# Altium PCB PCB2.PcbDoc (part 1 of 3) (continued)
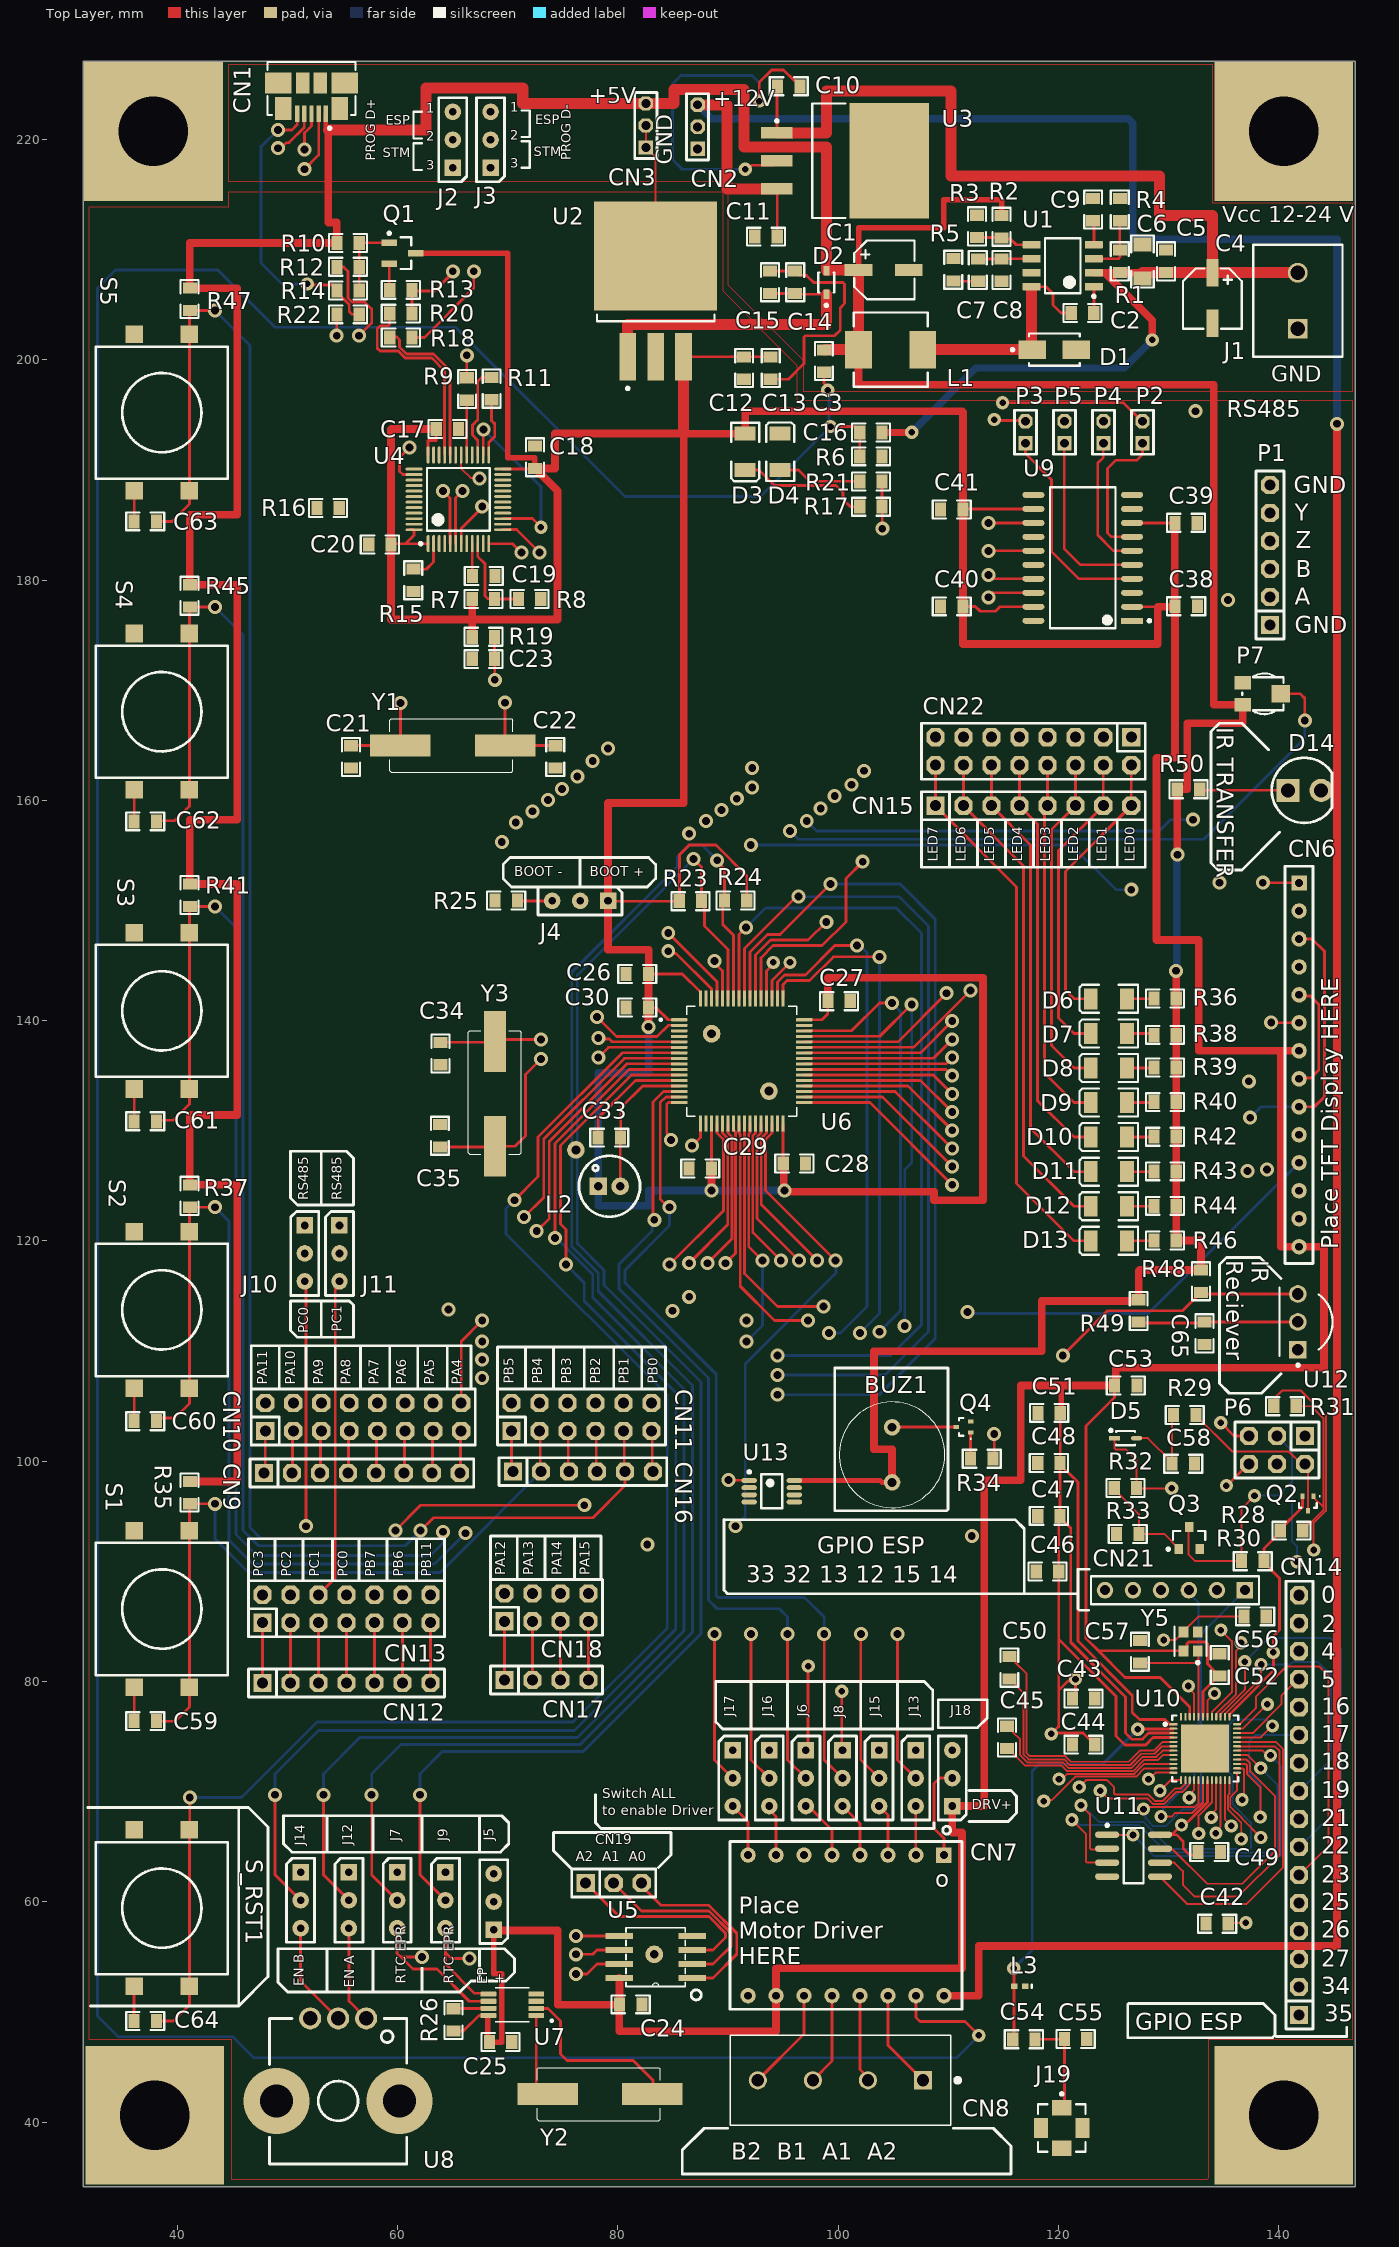
[diagram p0: Top Layer view]
## Footprints (in the part's own frame and the unit in brackets; to place one, negate y for a bottom-side part, rotate by r counter-clockwise, add the part's x,y. Pads: shape width x height; smd on the part's side, far side on the other; paste and mask are expansions set on the pad) (continued)
MICT-MN-8_N [mm] "SOIC, 8-Leads, Body 5x4mm, Pitch 1.27mm, IPC Medium Density"
  oval 2.2x0.6 smd: 1(-2.4,1.905) 2(-2.4,0.635) 3(-2.4,-0.635) 4(-2.4,-1.905) 5(2.4,-1.905) 6(2.4,-0.635) 7(2.4,0.635) 8(2.4,1.905)
  silkscreen extent -2.52,-2.5 0.9,2.88, body extent -2,-2.5 2,2.5, height 0.1
ONSC-CPH-3_V [mm] "SOT23, 3-Leads, Body 2.9x1.6mm, Pitch 0.95mm"
  rect 1.4x0.6 smd: 1(-1.2,0.95) 2(-1.2,-0.95) 3(1.2,0)
  silkscreen extent -1.32,-1.45 0.8,1.92, body extent -0.8,-1.45 0.8,1.45, height 1.05
ONSC-SC-75-3-463-01_V [mil] "SOT23, 3-Leads, Body 1.6x0.8mm, Pitch 0.5mm"
  rect 20x14.02 smd: 1(-25.49,19.68) 2(-25.49,-19.69) 3(25.49,0)
  silkscreen extent -27,-31 16,44, body extent -16,-31 16,31, height 35
ONSC-SOT-23-3-318-08_V [mm] "SOT23, 3-Leads, Body 2.92x1.3mm, Pitch 0.95mm"
  rect 0.9x0.8 smd: 1(-1,0.95) 2(-1,-0.95) 3(1,0)
  silkscreen extent -1.12,-1.46 0.65,2.02, body extent -0.65,-1.46 0.65,1.46, height 1.11
PHOE-1729128-2_V [mm] "Receptacle, 2-Leads, Body 8.1x10.16mm, Pitch 5.08mm"
  rect 1.8x1.8 hole 1.3: 1(-2.54,0)
  round 1.8 hole 1.3: 2(2.54,0)
  silkscreen extent -5.08,-4.05 5.08,4.05, body extent -5.65,-4.05 5.08,4.05, height 10.01
QFP50P1200X1200X160-64N [mm]
  rrect25% 1.47x0.28 smd: 1(-5.67,3.75) 2(-5.67,3.25) 3(-5.67,2.75) 4(-5.67,2.25) 5(-5.67,1.75) 6(-5.67,1.25) 7(-5.67,0.75) 8(-5.67,0.25) 9(-5.67,-0.25) 10(-5.67,-0.75) 11(-5.67,-1.25) 12(-5.67,-1.75) 13(-5.67,-2.25) 14(-5.67,-2.75) 15(-5.67,-3.25) 16(-5.67,-3.75) 33(5.67,-3.75) 34(5.67,-3.25) 35(5.67,-2.75) 36(5.67,-2.25) 37(5.67,-1.75) 38(5.67,-1.25) 39(5.67,-0.75) 40(5.67,-0.25) 41(5.67,0.25) 42(5.67,0.75) 43(5.67,1.25) 44(5.67,1.75) 45(5.67,2.25) 46(5.67,2.75) 47(5.67,3.25) 48(5.67,3.75)
  rrect25% 0.28x1.47 smd: 17(-3.75,-5.67) 18(-3.25,-5.67) 19(-2.75,-5.67) 20(-2.25,-5.67) 21(-1.75,-5.67) 22(-1.25,-5.67) 23(-0.75,-5.67) 24(-0.25,-5.67) 25(0.25,-5.67) 26(0.75,-5.67) 27(1.25,-5.67) 28(1.75,-5.67) 29(2.25,-5.67) 30(2.75,-5.67) 31(3.25,-5.67) 32(3.75,-5.67) 49(3.75,5.67) 50(3.25,5.67) 51(2.75,5.67) 52(2.25,5.67) 53(1.75,5.67) 54(1.25,5.67) 55(0.75,5.67) 56(0.25,5.67) 57(-0.25,5.67) 58(-0.75,5.67) 59(-1.25,5.67) 60(-1.75,5.67) 61(-2.25,5.67) 62(-2.75,5.67) 63(-3.25,5.67) 64(-3.75,5.67)
  silkscreen extent -7.44,-5 5,5, body extent -6,-6 6,6, height 1.6
SOIC127P794X203-8N [mil]
  rect 98.43x22 smd: 1(-130,75) 2(-130,25) 3(-130,-25) 4(-130,-75) 5(130,-75) 6(130,-25) 7(130,25) 8(130,75)
  silkscreen extent -163,-105 106,153, body extent -118,-96 118,96, height 69
SOP65P490X110-8N [mm]
  rrect25% 1.42x0.47 smd: 1(-2.165,0.975) 2(-2.165,0.325) 3(-2.165,-0.325) 4(-2.165,-0.975) 5(2.165,-0.975) 6(2.165,-0.325) 7(2.165,0.325) 8(2.165,0.975)
  silkscreen extent -3.68,-1.55 1.55,1.55, body extent -2.45,-1.5 2.45,1.5, height 1.1
Step_motor_Socket_TMC2209 [mm]
  rect 1.4x1.4 hole 0.7: 1(-6.38,17.78)
  round 1.4 hole 0.7: 2(-6.38,15.24) 3(-6.38,12.7) 4(-6.38,10.16) 5(-6.38,7.62) 6(-6.38,5.08) 7(-6.38,2.54) 8(-6.38,0) 9(6.38,17.78) 10(6.38,15.24) 11(6.38,12.7) 12(6.38,10.16) 13(6.38,7.62) 14(6.38,5.08) 15(6.38,2.54) 16(6.38,0)
  silkscreen extent -8.99,-1.65 7.62,19.43, body extent -7.65,-1.65 7.65,19.3, height 8.5
STM-LQFP48_L [mm] "QFP, 48-Leads, Body 7x7mm, Pitch 0.5mm, IPC High Density"
  oval 1.55x0.25 smd: 1(-4.025,2.75) 2(-4.025,2.25) 3(-4.025,1.75) 4(-4.025,1.25) 5(-4.025,0.75) 6(-4.025,0.25) 7(-4.025,-0.25) 8(-4.025,-0.75) 9(-4.025,-1.25) 10(-4.025,-1.75) 11(-4.025,-2.25) 12(-4.025,-2.75) 25(4.025,-2.75) 26(4.025,-2.25) 27(4.025,-1.75) 28(4.025,-1.25) 29(4.025,-0.75) 30(4.025,-0.25) 31(4.025,0.25) 32(4.025,0.75) 33(4.025,1.25) 34(4.025,1.75) 35(4.025,2.25) 36(4.025,2.75)
  oval 0.25x1.55 smd: 13(-2.75,-4.025) 14(-2.25,-4.025) 15(-1.75,-4.025) 16(-1.25,-4.025) 17(-0.75,-4.025) 18(-0.25,-4.025) 19(0.25,-4.025) 20(0.75,-4.025) 21(1.25,-4.025) 22(1.75,-4.025) 23(2.25,-4.025) 24(2.75,-4.025) 37(2.75,4.025) 38(2.25,4.025) 39(1.75,4.025) 40(1.25,4.025) 41(0.75,4.025) 42(0.25,4.025) 43(-0.25,4.025) 44(-0.75,4.025) 45(-1.25,4.025) 46(-1.75,4.025) 47(-2.25,4.025) 48(-2.75,4.025)
  silkscreen extent -4.15,-2.85 2.85,3.55, body extent -3.5,-3.5 3.5,3.5, height 1.6
TE_282836-4 [mm]
  rect 1.65x1.65 hole 1.1: 1(-7.5,0)
  round 1.65 hole 1.1: 2(-2.5,0) 3(2.5,0) 4(7.5,0)
  silkscreen extent -10.84,-4.1 10,4.1, body extent -10.43,-4.01 10.17,4.19, height 10
Vishay_TSOP34838_0 [mm]
  rect 1.6x1.6 hole 1.05 paste-1000 mask+0: 1(0,2.54)
  round 1.6 hole 1.05 paste-1000 mask+0: 2(0,0) 3(0,-2.54)
  silkscreen extent -3.16,-3.1 1.65,4.05, body extent -4.25,-3.44 1.75,3.44, height 0.25

## Part data
BUZ1: "Buzzer"
C1 C4: library part "Cap Pol", "Polarized Capacitor SMD low ESR ±1%", ComponentLink1Description=datasheet, ComponentLink2Description=supplier
C2 C3 C5 C7 C8 C9 C10 C12 C13 C14 C15 C23: library part Cap, "Ceramic capacitor MLCC SMD ±5%", ComponentLink1Description=datasheet, ComponentLink2Description=supplier
C6: "Ceramic capacitor MLCC SMD ±5%", ComponentLink1Description=datasheet, ComponentLink2Description=supplier
C11: library part Cap, "Ceramic capacitor MLCC SMD ±5%", Voltage=100VDC, ComponentLink1Description=datasheet, ComponentLink2Description=supplier
C16: library part Cap, "Ceramic capacitor MLCC SMD ±1%", Voltage=100VDC, ComponentLink1Description=datasheet, ComponentLink2Description=supplier
C17 C18 C19 C20 C21 C22 C24 C25 C26 C27 C28 C29 C30 C33 C34 C35 C38 C39 C40 C41 C42 C43 C44 C45 C46 C47 C48 C49 C50 C51 C52 C53 C54 C55 C56 C57 C58: library part Cap, "Ceramic capacitor MLCC SMD ±1%", ComponentLink1Description=datasheet, ComponentLink2Description=supplier
C59 C60 C61 C62 C63 C64 C65: library part Cap, "Capacitor", ComponentLink1Description=datasheet, ComponentLink2Description=supplier
CN1: "Molex 473460001 microUSB Connector", Supplier Part Number 1=2426321, Published=20-Mar-2006, Shop link="TME: @MX-105017-0001", Supplier 1=Farnell, Supplier 2=TME, Supplier Part Number 2=MX-47346-0001
CN2 CN3: "Goldpin type: male 2.54mm"
CN6: library part DISPLAY_TFT_Socket_1x14
CN7: library part Step_motor_Socket_TMC2209
CN8: library part Terminal_block_1x4, 3D model link=https://www.snapeda.com/parts/282836-4/TE%20Connectivity/view-part/?ref=search&t=282836-4, Model=282836-4, Shop link=https://www.tme.eu/pl/details/282836-4/listwy-zaciskowe-do-druku/te-connectivity/
CN21: library part "Header 6", "Header, 6-Pin", LatestRevisionDate=17-Jul-2002, LatestRevisionNote="Re-released for DXP Platform.", Publisher="Altium Limited"
D1: library part CMP-1667-00003-3, "DIODE SCHOTTKY 40V 3A SMA", Average Rectified Current=3A, Capacitance=250pF, Case/Package=SMA, Forward Voltage=500mV, Max Forward Surge Current (Ifsm)=80A, Max Operating Temperature=125°C, Max Repetitive Reverse Voltage (Vrrm)=40V, Max Reverse Current=500uA, Min Operating Temperature=-55°C, Package Quantity=5000, Contact Plating=Tin, Current=3A, Current Rating=3A, Element Configuration=Single, Forward Current=3A, Height=2.3mm, Lead Free="Lead Free", Length=4.6mm, Max Reverse Voltage (DC)=40V, Mount="Surface Mount", Number of Pins=2, Output Current=3A, Packaging="Tape and Reel", Peak Non-Repetitive Surge Current=80A, Polarity=Standard, Radiation Hardening=No, REACH SVHC="No SVHC", RoHS Compliant=Yes, Series=-, Termination=SMD/SMT, Voltage=40V, Voltage Rating (DC)=40V, Weight=0.002258oz, Width=2.92mm
D2: library part CMP-12187-000028-1, "DIODE SCHOTTKY 10V 3A SOD323", Average Rectified Current=3A, Forward Voltage=580mV, Max Forward Surge Current (Ifsm)=5A, Max Operating Temperature=150°C, Max Repetitive Reverse Voltage (Vrrm)=10V, Max Reverse Leakage Current=7.5uA, Min Operating Temperature=-65°C, Package Quantity=1, Contact Plating=Tin, Current Rating=3A, Element Configuration=Single, Forward Current=3A, Height=1.07mm, Lead Free="Lead Free", Length=1.8mm, Max Reverse Voltage (DC)=10V, Max Surge Current=5A, Mount="Surface Mount", Number of Pins=2, Output Current=3A, Packaging="Tape and Reel", Peak Non-Repetitive Surge Current=5A, Peak Reverse Current=7.5uA, Polarity=Standard, Radiation Hardening=No, REACH SVHC="No SVHC", Voltage Rating (DC)=10V, Weight=0.01lb, Width=1.45mm
D3: library part LED_GREEN, "GREEN LED", Published=04-Apr-2006
D4: library part LED_RED, "RED LED", Published=04-Apr-2006
D5: library part CMP-07163-000040-1, "DIODE GEN PURP 75V 150MA SOD323F", Average Rectified Current=150mA, Forward Voltage=1V, Max Forward Surge Current (Ifsm)=2A, Max Operating Temperature=150°C, Max Repetitive Reverse Voltage (Vrrm)=75V, Min Operating Temperature=-55°C, Package Quantity=1, Peak Reverse Current=5uA, Power Dissipation=200mW, ComponentLink1Description=TME, ComponentLink1URL=https://www.tme.eu/en/details/1n4148ws/smd-universal-diodes/onsemi/, Contact Plating=Tin, Element Configuration=Single, Forward Current=150mA, Height=1mm, Lead Free="Lead Free", Length=1.8mm, Max Reverse Voltage (DC)=75V, Mount="Surface Mount", Number of Pins=2, Packaging="Tape and Reel", Radiation Hardening=No, REACH SVHC="No SVHC", Recovery Time=4ns, Reverse Recovery Time=4ns, Reverse Voltage=75V, Weight=0.0276g, Width=1.35mm
D6 D7 D8 D9 D10 D11 D12 D13: library part LED_GREEN, "GREEN LED", Current=20mA, Voltage=2,2-2,5V, Brightness=3,2÷12,5mcd, Light Angle=120, Product Nr=KP-3216SGD, Published=04-Apr-2006, Supplier="KINGBRIGHT ELECTRONIC"
D14: library part LED, "Typical RED, GREEN, YELLOW, AMBER GaAs LED", Published=04-Apr-2006
J1: library part CMP-2000-05815-1, "PCB Terminal Block, 13.5 A, 400 V, 2-Pin THD, RoHS, Bulk", Current Rating=13500mA, Manufacturer="Phoenix Contact", Package Description="2-Pin Through Hole Device, Body 8.1 x 10.16 mm, Pitch 5.08 mm", Package Reference=1729128-2, Package Version=03/2015, Voltage Rating=400V, Datasheet URL=https://datasheet.ciiva.com/16046/1729128-16046181.pdf, Datasheet Version=12/2013, Manufacturer URL=http://www.phoenixcontact.com/, Mounting Technology=ThroughHole, No. of Positions=2, No. of Rows=1, Orientation=Horizontal, Package URL=https://www.phoenixcontact.com/online/portal/pi/pxc/product_detail_page/!ut/p/b1/3VdJjqNKFDxLH8AFycySyWY2ozFsEPOMMQaDOX1XedGL_1Vdm5YXJleknhSKeBkvI6EA8ncAo3AYoDhBQGco6KN7VURTdemj9us_IEKEZo_YHiPAEWEFmDGOHMORkqKYCORBZxgL7ZoaZYcbFFUZ3fqxSY6GOuxydWUuHqz1ynmMFygu583Bob0Ewr6Sd_l-5m-kAueHiB0jpRwZwe58wwtkpxtMYd_LmGcDRU02dRNEyWt6Y2ti5pSyJ_reIkzIulrqApdnbT11V5jnCKbYNCvhEM1MCpPByat_X379-iThf08CI5GfOPqfBeS3BRoBOdD55AKVv0iLwCMq-2BrzXWSGRH7pUGD9uwXQjiph3xL0DKQwdGa0JImiIOmBNOestqgwTHSSs2oOep-78apyXQBvNi8ZLaFjvjWvcaUEBu0MC6Wbe-d6mB0FAebo2lUWinqYaZs5DAYzV0RP9yitUjnGJ0iI9xhZkT42OCQNUJJhkgWINNQLP2JFP6OpMg3JCVg70jqHT0lvKOnhHf0lPuOnnLf0VPuWx6_dxwUIvwk5WMkT0kLL1mh61l2yZVSzG3pYV_bqo-mj6uMKwKwdnnW8Jh5RTOJzMOA5c-eJDaZQw4mTMPH02PvS_ZAqNVjVTo2WyYLkwH_KU1mmmG5kjRhDqPXLwwVHvVOjCM60-fpXvTDfMGW1PVFVS1r4e4yVDk4ZdNbkUHvqPqQSeian4UD39fNKmachqdJ1NJbyk8rXT9mXTvPk3oE5meulKGgiruPJek-4I9hTT6G8ZLOyRSm2RRVbThERQad5OS28hdt4YW4vG0stgYYzsWsK4_7y6DZMjJSCqri1kyiZR5vD7pwIrNR7QwPHTcLTI5qT7eRlpHrdGiupYlqQDJ7zy_CND8fWWBoLRXxk1RVcXiBQwbTD4Xi7KL-FuO94t9xaqweXzH, Packing=Bulk, PartNumber=1729128, Pitch=5.08mm, RoHS=TRUE
J2 J3 J4 J5 J6 J7 J8 J9 J10 J11 J12 J13 J14 J15 J16 J17 J18: library part Jumper1x3
J19: library part CMP-2000-05707-1, "Female MMCX Connector, 1 Position, Height 3.607 mm, -40 to 90 degC, RoHS, Bulk", Dielectric Material=LiquidCrystalPolymer(LCP), Frequency - Max=6GHz, Housing Color=Black, Manufacturer=Amphenol, Operating Temperature=-55°C~155°C, Package Description="Female MMCX Connector, 1 Position, Height 3.607 mm", Package Reference=908-22101, Standard Package=1, Voltage Rating=-, 3D model=908-22101.igs, Body Finish=Gold, Body Material=BerylliumCopper, Cable Group=-, Category=Connectors,Interconnects, Center Contact Material=BerylliumCopper, Center Contact Plating=Gold, ComponentLink1Description=TME, ComponentLink1URL=https://www.tme.eu/pl/details/908-22101t/zlacza-mcx-mmcx/amphenol-icc/, Connector Style=MMCX, Connector Type=Jack,FemaleSocket, Contact Termination=Solder, Datasheet URL=http://www.amphenolrf.com/downloads/dl/file/id/2664/product/2399/908_22101_customer_drawing.pdf, Datasheet Version="Rev. A, 05/1997", Family=CoaxialConnectors(RF), Fastening Type=Snap-On, Features=-, Impedance=50Ohm, Ingress Protection=-, Manufacturer URL=http://www.amphenol.com/, Mounting Technology=SurfaceMount, Mounting Type=SurfaceMount, Online Catalog=MMCX,MicroMate™Series, Other Names=90822101ARF1724, Packaging=Bulk, Series=MicroMate™, Shield Termination=Solder
L1: library part CMP-02424-000104-1, "Commercial Inductors, High Saturation Series 6.8uH 4.5A 60mΩ 20%", Case Code (Imperial)=2525, Case Code (Metric)=6363, Current Rating=4.5A, DC Resistance (DCR)=60mR, Inductance=6.8uH, Inductance Tolerance=20%, Max DC Current=8A, Max Operating Temperature=125°C, Min Operating Temperature=-55°C, Package Quantity=2000, Self Resonant Frequency=5MHz, Test Frequency=100kHz, Case/Package=2525, Contact Plating=Tin, Core Material=Metal, Depth=6.72mm, Height=3mm, Height - Seated (Max)=0.118inch, Lead Free="Lead Free", Length=7.24mm, Military Standard=Not, Mount="Surface Mount", Number of Pins=2, Packaging="Tape and Reel", Radiation Hardening=No, RMS Current (Irms)=4.5A, Saturation Current=8A, Shielding=Shielded, Termination=SMD/SMT, Tolerance=20%, Width=0.255inch
L3: library part Inductor, "0402", Code_IEC=1005, Code_JEITA=0402, ComponentLink1Description="New link", ComponentLink1URL=https://www.tme.eu/pl/details/0402as-2n7k-08/dlawiki-smd-0402/fastron/, LatestRevisionDate=29-May-2009, LatestRevisionNote="IPC-7351 Footprint Added.", PackageDescription="Chip Inductor", PackageReference=0402-A, Published=8-Jun-2000, Publisher="Altium Limited"
P1: library part CN_6x1
P2 P3 P4 P5: library part CN_2x1
P7: library part 3305SMD-10K, "3305SMD-10K", ComponentLink1Description=datasheet, ComponentLink2Description=supplier, Published=21-10-2009
Q1: library part CMP-1048-00073-1, "Bipolar Transistor,, Low VCE(sat), NPN Single, 3-Pin CPH, Pb-Free, Tape and Reel", Current="0.7 A", Manufacturer="On Semiconductor", Voltage="30 V", 3D model=https://octopart.com/30c02ch-tl-e-onsemi-20815499?r=sp#Specs, ComponentLink1Description="Manufacturer URL", ComponentLink1URL=http://www.onsemi.com/, ComponentLink2Description=Datasheet, ComponentLink2URL=http://www.onsemi.com/pub_link/Collateral/30C02CH-D.PDF, ComponentLink3Description="Package Specification", ComponentLink3URL=http://www.onsemi.com/pub_link/Collateral/50A02CH-D.PDF, Footprint model=https://octopart.com/30c02ch-tl-e-onsemi-20815499?r=sp#Specs, IC Continuous (A)=0.7, Mounting Technology="Surface Mount", PackageDescription="3-Pin Small Outline Transistor, Body 2.9 x 1.6 mm, Pitch 0.95 mm", PackageReference=CPH-3, Packing="Tape and Reel", PartNumber=30C02CH-TL-E, Polarity=NPN, RoHS=TRUE, Shop link="Digi-Key: @30C02CH-TL-EOSTR-ND"
Q2: library part CMP-1048-00415-1, "PNP Silicon General Purpose Amplifier Transistor, 3-Pin SC-75, Pb-Free, Tape and Reel", Manufacturer="On Semiconductor", PartNumber=2SA1774G, ComponentLink1Description="Manufacturer URL", ComponentLink1URL=http://www.onsemi.com/, ComponentLink2Description=Datasheet, ComponentLink2URL=http://www.onsemi.com/pub_link/Collateral/2SA1774-D.PDF, ComponentLink3Description="Package Specification", ComponentLink3URL=http://www.onsemi.com/pub_link/Collateral/463-01.PDF, ComponentLink4Description=TME, ComponentLink4URL=https://www.tme.eu/en/details/2sa1774g/pnp-smd-transistors/onsemi/, DatasheetVersion="Rev. 9", IC Continuous (A)=-0.1, Mounting Technology="Surface Mount", PackageDescription="3-Pin Small Outline Transistor, Body 1.6 x 0.8 mm, Pitch 0.5 mm", PackageReference=SC-75-3-463-01, PackageVersion="Rev. F, 07/2005", Packing="Tape and Reel", Polarity=PNP, RoHS=TRUE
Q3: library part CMP-1048-00763-1, "General Purpose Transistor, NPN Silicon, 3-Pin SOT-23, Pb-Free, Tape and Reel", Manufacturer="On Semiconductor", PartNumber=BC847ALT1G, ComponentLink1Description="Manufacturer URL", ComponentLink1URL=http://www.onsemi.com/, ComponentLink2Description=Datasheet, ComponentLink2URL=http://www.onsemi.cn/pub_link/Collateral/BC846ALT1-D.PDF, ComponentLink3Description="Package Specification", ComponentLink3URL=http://www.onsemi.cn/pub_link/Collateral/318-08.PDF, ComponentLink4Description=TME, ComponentLink4URL=https://www.tme.eu/en/details/bc847alt1g/npn-smd-transistors/onsemi/, DatasheetVersion="Rev. 11", fT Min (MHz)=100, IC Continuous (A)=0.1, Mounting Technology="Surface Mount", PackageDescription="3-Pin Small Outline Transistor, Body 2.92 x 1.3 mm, Pitch 0.95 mm", PackageReference=SOT-23-3-318-08, PackageVersion="Rev. AP, 11/2009", Packing="Tape and Reel", Polarity=NPN, RoHS=TRUE
Q4: library part CMP-1048-00420-1, "General Purpose Transistor, NPN Silicon, 3-Pin SC-75, Pb-Free, Tape and Reel", Manufacturer="On Semiconductor", ComponentLink1Description="Manufacturer URL", ComponentLink1URL=http://www.onsemi.com/, ComponentLink2Description=Datasheet, ComponentLink2URL=http://www.onsemi.cn/pub_link/Collateral/MMBT3904TT1-D.PDF, ComponentLink3Description="Package Specification", ComponentLink3URL=http://www.onsemi.com/pub_link/Collateral/463-01.PDF, DatasheetVersion="Rev. 5", fT Min (MHz)=300, IC Continuous (A)=0.2, Mounting Technology="Surface Mount", PackageDescription="3-Pin Small Outline Transistor, Body 1.6 x 0.8 mm, Pitch 0.5 mm", PackageReference=SC-75-3-463-01, PackageVersion="Rev. F, 07/2005", Packing="Tape and Reel", PartNumber=MMBT3904TT1G, Polarity=NPN, RoHS=TRUE
R1 R2 R3 R4 R5: library part Res, "Resistor SMD  ±1%", ComponentLink1Description=datasheet, ComponentLink2Description=supplier, Published=19-Feb-2006
R6 R7 R8 R9 R10 R11 R12 R13 R14 R15 R16 R17 R18 R19 R20 R21 R22 R23 R24 R25 R26 R28 R29 R30 R31 R32 R33: library part Res, "Resistor SMD  ±5%", ComponentLink1Description=datasheet, ComponentLink2Description=supplier, Published=19-Feb-2006
R34 R35 R36 R37 R38 R39 R40 R41 R42 R43 R44 R45 R46 R47 R48 R49 R50: library part Res, "Resistor", ComponentLink1Description=datasheet, ComponentLink2Description=supplier, Published=19-Feb-2006
S1 S2 S3 S4 S5 S_RST1: "DIPTRONICS Brown 12x12mm SMD Tactile SPST-NO Switch", Supplier Part Number 1=DTSM-25N-V-B, Supplier 1=TME
U1: library part CMP-0323-00203-3, "Buck Step Down Regulator with 3.5 to 28 V Input and 0.8 to 25 V Output, -40 to 150 degC, 8-Pin SOIC (D), Green (RoHS & no Sb/Br)", Manufacturer="Texas Instruments", Rating=Catalog, Switch Current Limit(Typ)(A)=3.5, Code_JEDEC=MS-012AA, ComponentLink1Description=Datasheet, ComponentLink1URL=http://www.ti.com/general/docs/lit/getliterature.tsp?genericPartNumber=TPS54331&fileType=pdf, ComponentLink2Description="Package Specification", ComponentLink2URL=http://www.ti.com/litv/pdf/msoi002j, ComponentLink3Description="URL Link1", ComponentLink3URL="Samples URL:http://www.ti.com/product/tps54331#samples", DatasheetVersion=SLVS839D, Duty Cycle(Max)(%)=90, Eco-Plan="Green (RoHS & no Sb/Br)", Iout(Max)(A)=3, Iq(Typ)(mA)=0.11, Mounting Technology="Surface Mount", PackageDescription="8-Pin Plastic Small Outline Integrated Circuit, 4.9 x 3.9 mm, Pitch 1.27 mm Pitch", PackageReference=D0008A, PackageVersion="revM, Jun-2011", PartNumber=TPS54331D, Regulated Outputs(#)=1, SubFamily="Step-Down Regulator", Topology=Buck, Vin(Max)(V)=28, Vin(Min)(V)=3.5, Vout(Max)(V)=25, Vout(Min)(V)=0.8
U2: library part CMP-06324-000026-1, "IC REG LINEAR 3.3V 3A TO263-3", Case/Package=TO-263-4, Dropout Voltage=370mV, Max Operating Temperature=125°C, Min Operating Temperature=-40°C, Output Current=3A, Output Voltage=3.3V, Lead Free="Lead Free", Mount="Surface Mount", Number of Regulators=1, Packaging="Tape and Reel"
U3: library part CMP-0062-00646-4, "Series 3-Terminal Positive Regulators, 3-pin TO-263, Pb-Free", Manufacturer="Texas Instruments", PackageTopMarking="NSUZXYTTE#*LM340S*-12 P+", PowerWise=N, Code_JEDEC=MO-169-AA, ComponentLink1Description="Datasheet URL", ComponentLink1URL=http://www.ti.com/general/docs/lit/getliterature.tsp?genericPartNumber=LM340&fileType=pdf, CompType="LDO IC", PackageDescription="TO-263, Molded, .400 x .390 x .180in, 3 Lead, .1in Pitch, Surface Mount", PackageReference=KTT0003B, PinCount=3, RoHS=Y
U4: library part CMP-0237-00250-3, "ARM Cortex-M3 32-bit MCU, 128 KB Flash, 20 KB Internal RAM, 37 I/Os, 48-pin LQFP, -40 to 85 degC, Tray", I/Os (High Current)=37, Operating Frequency(F) (Processor speed) (MHz)=72, Supply Voltage(Vcc) min (V)=2, Voltage=3.3V, 3D model=https://octopart.com/stm32f103cbt6-stmicroelectronics-7868657?r=sp#Specs, A/D Converter="2x12-bit (10 Channel)", ComponentLink1Description="Manufacturer URL", ComponentLink1URL=http://www.st.com/web/en/home.html, ComponentLink2Description=Datasheet, ComponentLink2URL=http://www.st.com/st-web-ui/static/active/en/resource/technical/document/datasheet/CD00161566.pdf, ComponentLink3Description="Package Specification", ComponentLink3URL=http://www.st.com/st-web-ui/static/active/en/resource/technical/document/datasheet/DM00058181.pdf, Core="ARM Cortex-M3", DatasheetVersion="Rev. 16", FLASH Size (Prog) (kB)=128, Footprint model=https://octopart.com/stm32f103cbt6-stmicroelectronics-7868657?r=sp#Specs, Internal RAM Size (kB)=20, Mounting Technology="Surface Mount", PackageDescription="48-Pin Low Profile Quad Flat Package, 7 x 7 mm Body, 0.5 mm Pitch", PackageReference=LQFP48, PackageVersion="Rev. 6, 06/2013", Packing=Tray, PartNumber=STM32F103CBT6, Shop link="Digi-Key: @497-6288-ND"
U5: library part EEPROM_24LC512_I/SN, 3D model link=https://www.snapeda.com/parts/24LC512-I/SN/Microchip%20Technology/view-part/?ref=search&t=%2024LC512-I%2FSN, Assembly type=SMD, Footprint link=https://www.snapeda.com/parts/24LC512-I/SN/Microchip%20Technology/view-part/?ref=search&t=%2024LC512-I%2FSN, Model=24LC512-I/SN, Shop link=https://www.tme.eu/pl/details/24lc512-i_sn/pamieci-eeprom-szeregowe/microchip-technology/
U6: library part ARM_Microcontroller_STM32L476RG, 3D model link=https://www.st.com/en/microcontrollers-microprocessors/stm32l476rg.html#cad-resources, Assembly type=SMD, Footprint link=https://www.snapeda.com/parts/STM32L476RGT6/STMicroelectronics/view-part/?ref=search&t=STM32L476RGT6, Model=STM32L476RGT6, Shop link=https://pl.mouser.com/ProductDetail/STMicroelectronics/STM32L476RGT6?qs=o58qnh%2FCpu44V%252B7CaDZzCA%3D%3D
U7: library part RTC_DS1339AU, 3D model link=https://www.snapeda.com/parts/DS1339AU%2B/Maxim%20Integrated/view-part/?ref=search&t=DS1339AU%2B, Assembly type=SMD, Footprint link=https://www.snapeda.com/parts/DS1339AU%2B/Maxim%20Integrated/view-part/?ref=search&t=DS1339AU%2B, Model=DS1339AU+, Shop link=https://www.tme.eu/pl/details/ds1339au+/uklady-rtc/analog-devices-maxim-integrated/
U8: library part Encoder_EC12E1220405, 3D model link=https://www.snapeda.com/parts/EC12E1220405/ALPS/view-part/?ref=search&t=EC12E1220405, Footprint link="Own design", Model=EC12E1220405, Shop link=https://www.tme.eu/pl/details/ec12e1220405/enkodery-inkrementalne/alps/
U9: library part CMP-09096-000011-1, "DGTL ISO RS422/RS485 20SOIC TME@ADM2587EBRWZ-REEL7", Manufacturer="Analog Devices", Max Supply Voltage=5V, Min Supply Voltage=3.3V, Nominal Supply Current=72-125mA, Package=RW-20, Temperature="-40°C to +85°C", Temperature Range High=+85°C, Temperature Range Low=-40°C, Automotive=No, Category=IC, ComponentLink2Description=Datasheet, ComponentLink2URL=https://www.analog.com/media/en/technical-documentation/data-sheets/adm2582e_2587e.pdf, ComponentLink3Description=TME, ComponentLink3URL=https://www.tme.eu/pl/details/adm2587ebrwz-reel7/uklady-scalone-interfejs-rs232-422-485/analog-devices/, Data Rate=500kbits/s, Device Class L1="Integrated Circuits (ICs)", Device Class L2="Interface ICs", Device Class L3="RS-232 / RS-422 / RS-485 Interface ICs", Digikey Description="DGTL ISO RS422/RS485 20SOIC", Height=2.65mm, Interface=RS-485,RS-422, Ipc Land Pattern Name=SOIC127P1032X250-20, Lead Free=Yes, Manufacturer Part Number=ADM2587EBRWZ-REEL7, Mouser Description="Digital Isolators 2.5kV Sgnl & Pwr Iso Full/Hlf Duplx", Number Of Receivers=1, Number Of Transmitters=1, Octopart=https://octopart.com/adm2587ebrwz-reel7-analog+devices-12809043, RoHS=TRUE, Simplex Duplex="Full Duplex", Standoff Height=0.1mm
U10: library part CMP-194065-000007-1, "IC RF TXRX+MCU BLUETOOTH 48VFQFN", Current - Receiving=100mA, Current - Transmitting=240mA, Frequency=2.4GHz, Max Operating Temperature=125°C, Min Operating Temperature=-40°C, Data Rate=150Mbps, Interface=I2C, Memory Size=520KB, Number of GPIO=34, Packaging="Tape and Reel", Sensitivity=-98dBm
U11: library part CMP-0357-00072-1, "4 Mb (x1) Serial NOR Flash Memory, 75 MHz, 2.3 to 3.6 V, 8-pin SO8 Narrow (MN), Tube", Manufacturer=Micron, Package="SO8 NarrowÂ", Voltage=2.3V-3.6VÂ, Applications=EmbeddedÂ, ComponentLink1Description="Manufacturer URL", ComponentLink1URL=http://www.micron.com/, ComponentLink2Description=Datasheet, ComponentLink2URL=http://www.micron.com/~/media/Documents/Products/Data%20Sheet/NOR%20Flash/Serial%20NOR/M25P/M25P40.pdf, ComponentLink3Description="Package Specification", ComponentLink3URL=http://www.micron.com/~/media/Documents/Products/Data%20Sheet/NOR%20Flash/Serial%20NOR/M25P/M25P05A.pdf, DatasheetVersion="Rev. Y", Density=4MbÂ, Mounting Technology="Surface Mount", PackageDescription="8-Pin SO Narrow, 3.9 X 4.9 mm, Pitch 1.27 mm", PackageReference=MICT-MN-8, PackageVersion="Rev 11", Part Family=M25PÂ, Part Status=ProductionÂ, PartNumber=M25P40-VMN6P, RoHS=YesÂ, Speed="75 MHzÂ", Type="Data StorageÂ", Width=x1Â
U12: library part TSOP31236, "Remote Receiver Sensor, 36.0kHz 45m Through Hole", Package=None, Availability=Unavailable, MF="Vishay Semiconductor", MP=TSOP31236, Price=None, SnapEDA_Link=https://www.snapeda.com/parts/TSOP31236/Vishay%20Semiconductor%20Opto%20Division/view-part/266363/?ref=snap
U13: library part CMP-0253-00036-2, "High-Precision 1-Wire Digital Thermometer, -55 to 125 degC, 8-Pin SOP (U8+1), Pb-Free", Generic Part Number=DS18B20, Temp. Thresh.="Programmable (NV)", Code_JEDEC=MO-187, ComponentLink1Description="Manufacturer URL", ComponentLink1URL=http://www.maximintegrated.com/, ComponentLink2Description=Datasheet, ComponentLink2URL=http://datasheets.maximintegrated.com/en/ds/DS18B20.pdf, ComponentLink3Description="Package Specification", ComponentLink3URL=http://pdfserv.maximintegrated.com/package_dwgs/21-0036.PDF, DatasheetVersion="Rev. 4", Interface=1-Wire, Mounting Technology="Surface Mount", Multi Droppable=Yes, PackageDescription="8-Pin Micro-MAX, Thin Shrink Small-Outline (U8+1), Body 3 x 3 mm, Pitch 0.65 mm", PackageReference=U8+1, PackageVersion="Rev. L, 08/2009", Parasite Pwr.=Yes, PartNumber=DS18B20U+, RoHS=Pb-Free, Sensor Type=Local
Y1 Y2 Y3: library part XTAL_2PIN, "Crystal Oscillator (20pF)", ComponentLink1Description=datasheet, ComponentLink2Description=supplier
Y5: library part CMP-06858-000003-1, "XTAL OSC XO 40.0000MHZ CMOS SMD", Case/Package=CSMD, Frequency=40MHz, Frequency Stability=50ppm, Load Capacitance=15pF, Max Operating Temperature=70°C, Max Supply Current=15mA, Max Supply Voltage=3.63V, Min Operating Temperature=-10°C, Min Supply Voltage=2.97V, Operating Supply Voltage=3.3V, Package Quantity=3000, Contact Plating=Gold, Depth=2mm, Height=0.039inch, Length=2.5mm, Mount="Surface Mount", Packaging="Tape and Reel", Radiation Hardening=No, Termination=SMD/SMT, Width=0.079inch
L2: Assembly type=THT, Model=COIL0406-0.1, Shop link=https://www.tme.eu/pl/details/coil0406-0.1/dlawiki-pionowe/ferrocore/

## Free pads (board coordinates)
  rect 12.6x12.6 hole 6.3: 1(37.846,220.726) 2(140.462,220.726) 3(140.462,40.64) 4(37.973,40.64)
  round 1.6 hole 0.8: ""(76.2,128.27) ""(83.312,55.245) ""(88.519,138.811) ""(93.726,133.604)

## Via types
v1: diameter 1.27, hole 0.711, Top Layer to Bottom Layer, tented top, 165 vias
v2: diameter 1.2, hole 0.6, Top Layer to Bottom Layer, 59 vias
v3: diameter 6, hole 3, Top Layer to Bottom Layer, 2 vias